# KiCad board pcb.kicad_pcb (continued)
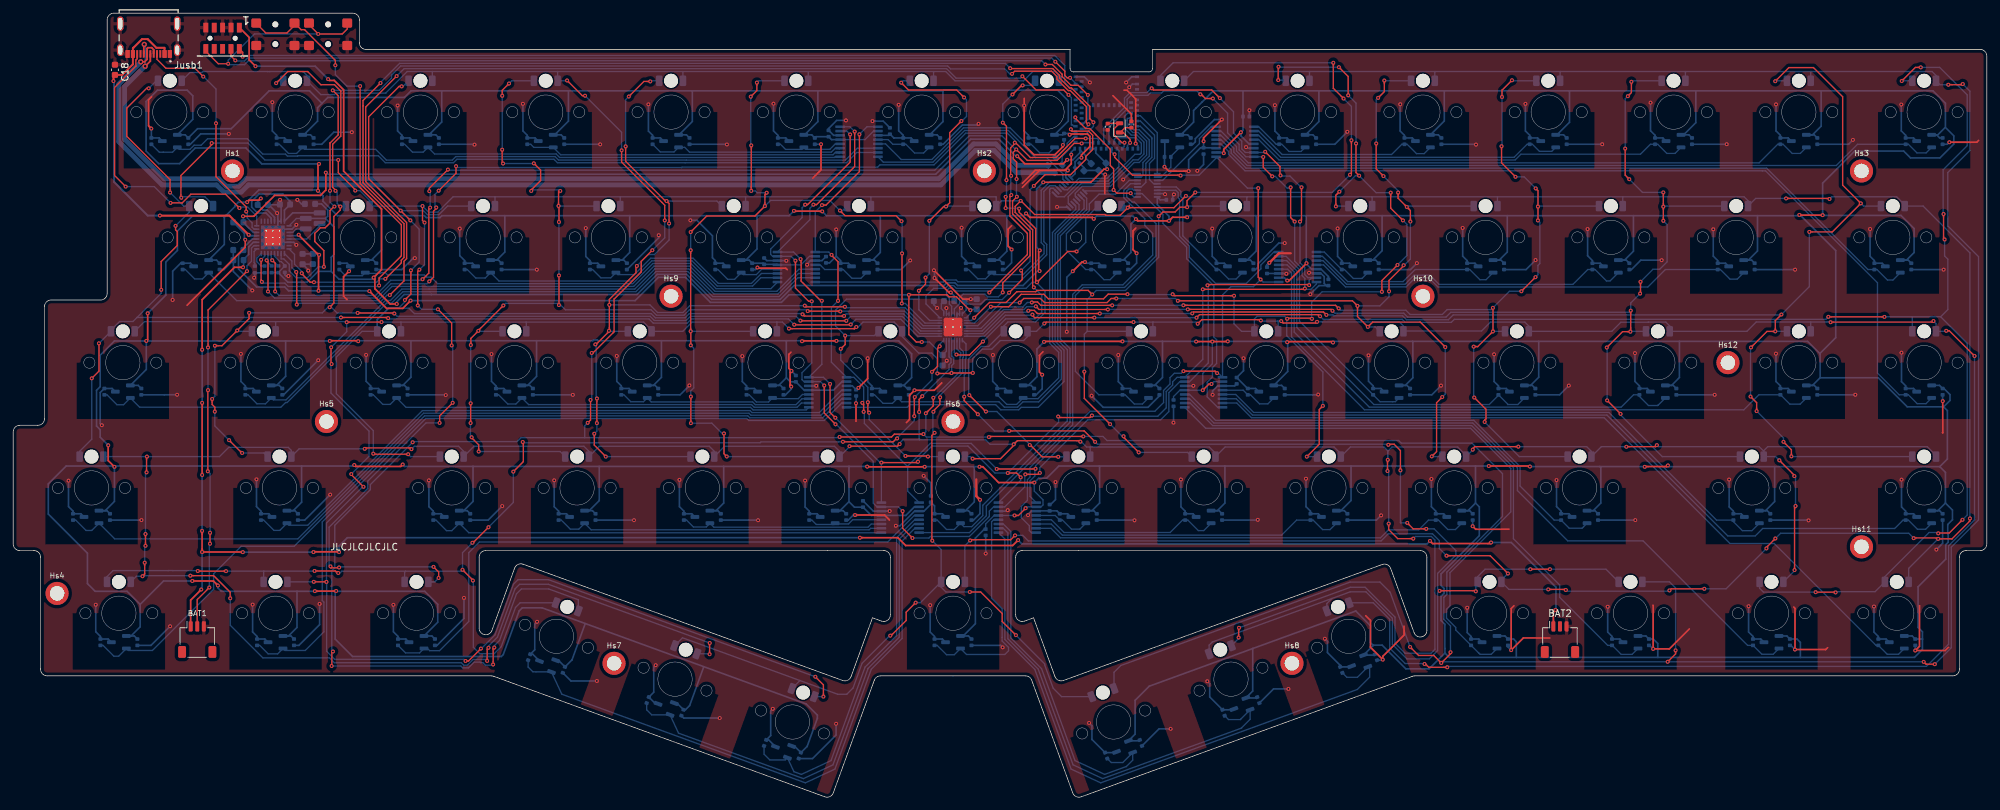
[diagram p0: board, top side]
## Routing (per net, layer and track width the routed paths; a pad name or vN(x,y) marks a point on that pad's centre or on a via; arc(x,y) is an arc through that point) (continued)
/CS9: length 187.3
  Top w0.2: v1(72.07,40.89) 69.71,38.53 v1(69.63,38.53) ; v1(32.27,34.23) 28.02,34.23 v1(27.99,34.25) ; v1(125.81,53.85) 133.44,53.85 133.95,54.36 v1(134.03,54.36) ; v1(140.48,68.34) 140.16,68.01 140.16,65.3 v1(139.31,64.45) ; v1(77.26,53.82) 77.35,53.73 77.35,50.84 v1(75.83,49.32) ; v1(68.13,34.44) 69.7,32.87 v1(69.7,32.8) ; v1(45.69,34.26) 48.82,34.26 48.94,34.14 49.08,34.14 v1(49.28,33.95) ; v1(136.7,60.63) 136.63,60.56 v1(136.63,57.74)
  Bottom w0.2: 38,34.23 v1(32.27,34.23) ; 38,34.23 37.98,34.2 D60.1 ; 38,34.23 45.66,34.23 v1(45.69,34.26) ; v1(136.7,60.63) 139.31,63.24 v1(139.31,64.45) ; LEDDR1.16 140.48,68.64 v1(140.48,68.34) ; v1(134.03,54.36) 134.03,54.44 136.63,57.04 v1(136.63,57.74) ; v1(27.99,34.25) 27.94,34.31 24.22,34.31 24.21,34.32 23.5,34.32 23.49,34.31 15.13,34.31 14.22,33.4 D59.1 ; v1(72.07,40.89) 75.83,44.65 v1(75.83,49.32) ; D61.1 59.35,34.08 59.49,34.22 ; D62.1 76.87,29.42 76.17,28.73 74,22.78 72.93,21.71 70.75,21.71 69.77,22.69 69.77,32.73 v1(69.7,32.8) ; v1(77.26,53.82) 77.39,53.69 88.39,53.69 88.4,53.7 113.26,53.7 113.39,53.83 125.13,53.83 125.15,53.85 v1(125.81,53.85) ; 59.49,34.22 49.82,34.22 49.55,33.95 v1(49.28,33.95) ; 59.49,34.22 67.91,34.22 v1(68.13,34.44) 68.13,37.03 v1(69.63,38.53)
/CS10: length 196.2
  Top w0.2: v1(126.99,71.64) 126.94,71.59 118.44,71.59 v1(118.42,71.61) ; v1(20.55,107.45) 20.22,107.45 17.22,104.45 17.22,100.16 23.79,93.6 v1(23.79,91.65) ; v1(11.91,63.47) 13,64.56 v1(13,68.78) ; v1(49.69,72.7) 56.75,72.7 v1(56.85,72.6) ; v1(24.62,86.6) 24.62,85.98 24.88,85.73 24.88,83.61 22.45,81.18 v1(22.45,76.89)
  Bottom w0.2: v1(56.85,72.6) 56.97,72.48 96.41,72.48 97.04,71.85 102.21,71.85 102.84,72.48 117.55,72.48 v1(118.42,71.61) ; 18.77,72.7 18.16,72.09 16.13,72.09 14.82,70.78 D30.1 13.01,68.78 v1(13,68.78) ; 18.77,72.7 v1(49.69,72.7) ; 18.77,72.7 22.45,76.37 v1(22.45,76.89) ; v1(23.79,91.65) 25.84,89.6 D16.1 26.7,88.68 v1(24.62,86.6) ; LEDDR1.17 137.16,69.85 134.57,72.44 127.79,72.44 v1(126.99,71.64) ; D1.1 21.7,108.6 v1(20.55,107.45) ; D45.1 10.07,52.4 11.91,54.23 v1(11.91,63.47)
/CS11: length 189
  Top w0.2: v1(39.87,108.23) 41.63,110 44.65,110 46.65,108 48.72,108 49.68,107.04 49.68,100.21 48.44,98.97 48.44,92.43 48.87,92 v1(48.87,91.91) ; v1(34.71,52.15) 34.68,52.15 v1(32.73,54.1) ; v1(57.79,73.3) 57.7,73.39 v1(52.23,73.39) ; v1(47.98,74.25) 48.63,74.89 48.63,88.02 49.61,89 v1(49.61,89.52) 49.6,89.51 49.48,89.51 49.3,89.7 ; v1(30.58,68.41) 31.65,68.41 v1(33.96,70.72) 35.77,72.53 v1(35.77,73.4) ; v1(119.36,72.22) 119.38,72.2 v1(126.32,72.2) ; v1(30.57,58.42) 30.57,59.1 30.16,59.5 v1(30.16,60.34)
  Bottom w0.2: D17.1 49.68,89.6 v1(49.61,89.52) 49.12,90.01 49.12,91.66 v1(48.87,91.91) ; v1(32.73,54.1) 30.57,56.26 v1(30.57,58.42) ; v1(52.23,73.39) 49.1,73.39 48.24,74.25 v1(47.98,74.25) 47.72,74.25 46.87,73.4 v1(35.77,73.4) ; v1(126.32,72.2) 126.96,72.84 134.84,72.84 137.43,70.25 LEDDR1.18 ; D31.1 34.08,70.6 v1(33.96,70.72) ; v1(57.79,73.3) 58.21,72.88 96.58,72.88 97.21,72.25 102.05,72.25 102.68,72.88 118.7,72.88 v1(119.36,72.22) ; v1(34.71,52.15) 38.02,52.15 D46.1 ; v1(30.58,68.41) 30.58,60.75 v1(30.16,60.34) ; v1(39.87,108.23) 40.23,108.6 D2.1
/CS12: length 184.2
  Top w0.2: v1(125.98,72.93) 125.96,72.91 119.95,72.91 v1(119.68,73.17) ; v1(58.9,107.75) 58.52,107.75 53.9,103.13 53.9,93.75 v1(58.75,88.9) v1(60.23,87.42) ; v1(54.6,52.05) 54.69,51.96 v1(59.89,51.96) ; v1(60.3,79.85) 60.3,76.25 v1(59.4,75.35)
  Bottom w0.2: LEDDR1.19 137.6,70.65 135.01,73.24 126.29,73.24 v1(125.98,72.93) ; v1(60.3,79.85) 61.55,81.1 61.55,86.1 v1(60.23,87.42) ; D3.1 59.1,107.75 v1(58.9,107.75) ; 56.92,74.1 58.43,74.1 59.4,75.07 v1(59.4,75.35) 59.4,75.34 ; 56.92,74.1 60.02,74.1 60.83,73.29 96.73,73.29 97.37,72.65 101.88,72.65 102.52,73.29 119.57,73.29 v1(119.68,73.17) ; 56.92,74.1 55.2,72.38 ; 56.92,74.1 55.2,72.38 ; v1(54.6,52.05) 54.6,55.53 49,61.13 49,66.7 52.89,70.6 D32.1 ; D32.1 55.2,72.38 ; D32.1 55.2,72.38 ; D47.1 60.25,51.6 v1(59.89,51.96) ; D18.1 65.85,89.6 64.53,88.28 62.82,88.28 62.2,88.9 v1(58.75,88.9)
/CS13: length 164.7
  Top w0.2: v1(69.36,59.69) v1(69.36,56.69) ; v1(120.47,73.67) 120.48,73.66 125.37,73.66 v1(125.41,73.62) ; v1(82.75,79.08) v1(82.75,74.58) ; v1(74.15,106.32) 74.15,107.15 v1(75.18,108.18) ; v1(78.55,91.89) 78.55,92.05 79.97,93.47 79.97,95.05 v1(78.94,96.08) ; v1(70.58,52.37) 70.58,53.39 69.5,54.46 v1(69.5,54.53) ; v1(69.39,68.52) 69.39,69.53 v1(70.53,70.67) 70.53,70.72 v1(74.32,74.51) ; v1(82.95,91.89) 82.79,91.89 82.69,91.79 v1(82.69,89.62) 82.75,89.56 v1(82.75,87.18) ; v1(74.14,98.14) 74.14,96.19 v1(74.28,96.04)
  Bottom w0.2: v1(69.5,54.53) 69.33,54.7 69.33,56.66 v1(69.36,56.69) ; LEDDR1.20 137.78,71.05 135.17,73.66 125.45,73.66 v1(125.41,73.62) ; v1(70.53,70.67) 70.6,70.6 D33.1 ; v1(82.75,79.08) v1(82.75,87.18) ; v1(75.18,108.18) 75.6,108.6 D4.1 ; v1(82.95,91.89) 82.79,92.05 78.71,92.05 v1(78.55,91.89) ; v1(74.14,98.14) 74.15,98.16 v1(74.15,106.32) ; D19.1 82.71,89.6 v1(82.69,89.62) ; v1(74.32,74.51) 74.64,74.83 82.5,74.83 v1(82.75,74.58) 83.02,74.58 83.73,73.86 96.72,73.86 97.54,73.05 101.72,73.05 102.53,73.86 120.27,73.86 v1(120.47,73.67) ; D48.1 82.93,52.37 v1(70.58,52.37) ; v1(78.94,96.08) 78.91,96.04 v1(74.28,96.04) ; v1(69.39,68.52) 69.36,68.49 v1(69.36,59.69)
/CS14: length 146
  Top w0.2: v1(120.02,74.49) 120.19,74.32 v1(126.11,74.32) ; v1(88.11,55.07) 88.11,53.34 v1(89.85,51.6) ; v1(88.5,56.68) 88.5,60.4 v1(88.51,60.41) ; v1(96.6,108.5) 95.63,108.5 v1(93.34,106.21) ; v1(92.86,98.65) 92.86,96.39 98.89,90.36 v1(99.08,90.36) 99.45,89.98 v1(99.45,86.95) ; 88.47,68.71 90.33,70.57 v1(90.33,70.67) 90.39,70.72 90.39,75.44 94.44,79.49 94.44,80.39 v1(94.56,80.51)
  Bottom w0.2: v1(88.27,68.61) 88.39,68.49 88.39,60.53 v1(88.51,60.41) ; v1(126.11,74.32) 126.25,74.18 135.24,74.18 137.97,71.45 LEDDR1.21 ; D20.1 106.69,90.36 v1(99.08,90.36) ; v1(93.34,106.21) 92.86,105.73 v1(92.86,98.65) ; D34.1 90.4,70.6 v1(90.33,70.67) ; D5.1 96.7,108.6 v1(96.6,108.5) ; v1(99.45,86.95) 99.45,84.45 97.25,82.25 96.3,82.25 v1(94.56,80.51) ; v1(120.02,74.49) 102.59,74.49 101.55,73.45 97.7,73.45 96.54,74.61 v1(90.39,74.61) ; v1(88.5,56.68) 88.5,55.46 v1(88.11,55.07) ; D49.1 v1(89.85,51.6)
/CS15: length 143.7
  Top w0.2: v1(102.75,60.7) 102.75,56.68 v1(102.76,56.67) ; v1(114.25,91.62) 113.98,91.35 v1(113.98,89.6) 112.47,88.09 105.15,88.09 v1(102.72,85.66) ; v1(111.91,98.8) 111.91,92.54 111.9,92.53 v1(111.9,91.89) ; v1(102.72,82.9) v1(102.72,70.61) 102.74,70.6 v1(102.74,68.48) ; v1(112.76,108.32) 112.76,107.12 v1(111.83,106.19) ; v1(134.69,87.3) 133.86,88.13 126.14,88.13 v1(125.36,88.91) ; v1(108.19,51.62) 107.77,52.04 v1(107.77,55.12) ; v1(134.78,82.42) 134.78,74.87 v1(134.73,74.83)
  Bottom w0.2: D35.1 102.74,70.6 v1(102.72,70.61) ; v1(102.75,60.7) 102.74,60.71 102.74,61.57 103.19,62.02 103.19,68.03 v1(102.74,68.48) ; LEDDR1.22 138.25,71.85 135.27,74.83 v1(134.73,74.83) ; v1(107.77,55.12) 107.65,55 107.6,55 105.93,56.67 v1(102.76,56.67) ; D50.1 108.21,51.6 v1(108.19,51.62) ; v1(134.78,82.42) 134.78,87.21 v1(134.69,87.3) ; v1(102.72,85.66) v1(102.72,82.9) ; v1(113.98,89.6) 114.84,90.46 123.81,90.46 v1(125.36,88.91) 125.76,88.91 D21.1 ; v1(114.25,91.62) 112.81,91.62 112.54,91.89 v1(111.9,91.89) ; D6.1 113.04,108.6 v1(112.76,108.32) ; v1(111.83,106.19) 111.83,98.88 v1(111.91,98.8)
/CS16: length 106.6
  Top w0.2: v1(137.32,76.75) 138.33,77.76 v1(138.33,78.76) ; v1(144.18,106.07) 143.05,107.19 135.75,107.19 v1(134.64,108.31) ; v1(143.76,102.49) 142,100.72 142,90.09 v1(141.44,89.53) 141.08,89.53 v1(138.91,87.36) ; v1(126.15,69.95) 126.15,68.61 v1(125.48,67.94) ; v1(129.59,59.85) 129.59,58.45 v1(129.79,58.25) ; v1(138.7,51.6) 138.6,51.7 v1(135.29,51.7)
  Bottom w0.2: 137.32,75.47 v1(137.32,76.75) ; 137.32,75.47 137.31,75.48 126.35,75.48 124.69,73.82 124.69,71.41 v1(126.15,69.95) 130.55,69.95 D36.1 ; 137.32,75.47 137.32,73.88 138.95,72.25 LEDDR1.23 ; v1(141.44,89.53) 141.51,89.6 D22.1 ; v1(129.59,59.85) 129.59,62.11 125.48,66.22 v1(125.48,67.94) ; v1(138.33,78.76) 138.91,79.34 v1(138.91,87.36) ; v1(129.79,58.25) 129.79,57.2 v1(135.29,51.7) ; D7.1 134.93,108.6 v1(134.64,108.31) ; v1(144.18,106.07) 144.54,105.71 144.54,103.18 143.85,102.49 v1(143.76,102.49) ; D51.1 v1(138.7,51.6)
/CS17: length 119.7
  Top w0.2: v1(147.49,58.44) 147.45,58.44 v1(144.97,60.92) ; v1(152.53,89.21) 152.53,88.66 155.03,86.16 155.03,78.24 v1(155.23,78.04) ; v1(155.23,78.04) 155.1,78.04 155.03,77.97 ; v1(155.23,78.04) 159.9,82.71 v1(161.24,82.71) ; v1(153.06,107.9) 152.9,107.9 v1(151.52,106.52) ; v1(150.48,89.29) 150.48,89.29 v1(150.48,90.99) ; v1(158.45,51.57) 156.01,51.57 154.22,53.36 v1(154.13,53.36) ; v1(150.05,102.25) 150.61,101.69 v1(150.61,93.53)
  Bottom w0.2: v1(151.52,106.52) 150.05,105.05 v1(150.05,102.25) ; v1(152.53,89.21) 152.46,89.28 150.49,89.28 v1(150.48,89.29) ; LEDDR1.24 138.4,74.76 138.4,75.95 139.57,77.12 141.32,77.12 141.74,77.54 142.6,77.54 143.02,77.12 153.58,77.12 154.5,78.04 v1(155.23,78.04) 155.23,77.9 156.45,76.68 156.45,73.44 155.03,72.02 150.82,72.02 150.2,71.4 D37.1 147.9,68.3 146.76,68.3 144.87,66.41 144.87,61.02 v1(144.97,60.92) ; D23.1 162.63,87.77 162.63,84.09 v1(161.24,82.71) ; v1(150.61,93.53) 150.61,91.11 v1(150.48,90.99) ; v1(153.06,107.9) 154.25,107.9 D8.1 ; v1(154.13,53.36) 154.13,53.45 149.14,58.44 v1(147.49,58.44) ; v1(158.45,51.57) 159.67,51.57 D52.1
/GPIO_X: length 163.4
  Top w0.2: v1(48.71,89.52) 48.63,89.52 48.03,88.92 48.03,87.03 47.3,86.3 46.57,86.3 45.72,85.45 45.72,84.22 47.11,82.84 v1(47.11,80.37) ; v1(48.04,91.92) 48.04,99.14 48.03,99.15 49.28,100.39 49.28,106.32 v1(48.45,107.15) ; v1(163.04,102) 162.95,102 162.71,102.24 162.71,104.69 160.29,107.11 159.99,107.11 158.25,108.85 158.25,109.25 157.45,110.05 151.85,110.05 v1(151.45,109.65)
  Bottom w0.2: v1(48.71,89.52) 48.04,90.19 v1(48.04,91.92) ; v1(151.45,109.65) 151.1,109.65 150.35,110.4 142.13,110.4 141.69,110.84 58.75,110.84 57.36,109.44 57.36,109 55.5,107.15 v1(48.45,107.15) ; v1(47.11,80.37) 46.25,80.37 44.59,78.71 42.91,78.71 41.86,79.76 41.86,80.75 41.04,81.58 40.62,81.58 PMIC1.10 ; v1(163.04,102) 163.04,101.83 162.5,101.3 MDBT1.38
/INT: length 170
  Top w0.2: 43.7,79.37 43.71,79.37 ; 43.7,79.37 43.71,79.36 ; 43.7,79.37 45.03,78.05 v1(45.6,78.05) ; 43.7,79.37 43.71,79.37 ; 43.71,79.37 v1(43.75,79.41) 43.71,79.37 ; v1(163.79,102.3) 163.25,102.84 163.25,104.72 160.46,107.51 160.15,107.51 158.65,109.01 158.65,109.41 157.62,110.45 151.22,110.45 v1(151.17,110.5) ; v1(55.69,108.25) 53.05,105.61 53.05,104.78 53.05,104.78 53.05,93.13 59.25,86.93 59.25,81.78 58.85,81.38 58.85,80.98 v1(56.43,78.56)
  Bottom w0.2: v1(43.75,79.41) 43.75,79.68 42.66,80.77 42.66,82.26 PMIC1.8 ; v1(151.17,110.5) 150.43,111.24 58.59,111.24 55.69,108.34 v1(55.69,108.25) ; v1(56.43,78.56) 55.62,78.56 55.11,78.05 v1(45.6,78.05) ; MDBT1.36 162.61,100.5 163.79,101.68 v1(163.79,102.3)
/LED_DR_EN: length 46.2
  Top w0.2: v1(152.83,79.83) 153,79.66 153,78.45 v1(151,76.46) ; v1(160.37,101.24) 160.37,101.12 160.55,100.95 163.07,100.95 163.68,100.34 163.68,98.17 162.62,97.12 162.62,96.66 160.31,94.35 156.45,94.35 v1(154.75,92.65)
  Bottom w0.2: LEDDR1.32 144.49,73.83 144.49,74.97 C33.1 144.74,74.72 146.71,74.72 147.39,75.41 149.95,75.41 v1(151,76.46) ; v1(152.83,79.83) 154.19,81.18 154.19,92.08 v1(154.75,92.65) ; v1(160.37,101.24) 160.37,101.12 160.6,100.9 MDBT1.37
/LOADSW_CTRL: length 171.7
  Top w0.2: v1(58.14,109.3) 53.45,104.61 53.45,93.3 59.65,87.1 59.65,81.61 59.25,81.21 59.25,78.24 v1(57.1,76.09) ; v1(42.92,79.6) 42.99,79.52 v1(42.99,74.65) ; v1(160.02,106.46) 159.29,107.19 155.1,107.19 v1(153.02,109.28)
  Bottom w0.2: PMIC1.9 42.26,81.26 42.26,80.26 v1(42.92,79.6) ; MDBT1.39 160.83,101.7 160.64,101.89 160.45,101.89 160.45,106.03 v1(160.02,106.46) ; v1(42.99,74.65) 43.19,74.85 55.45,74.85 56.7,76.09 v1(57.1,76.09) ; v1(153.02,109.28) 152.74,109 142.97,109 141.53,110.44 59.27,110.44 v1(58.14,109.3)
/MUX_B_1: length 34.6
  Bottom w0.2: MUXB1.8 131.93,96.26 139.46,96.26 144.26,101.06 150.9,101.06 155.01,96.94 156.71,96.94 159.16,94.49 159.16,93.66 MUXA1.14 159.65,93.17
/MUX_B_2: length 49.7
  Bottom w0.2: MUXB2.8 141.07,78.07 141.38,78.39 142.96,78.39 143.24,78.11 152.61,78.11 156.58,82.07 156.58,82.07 156.71,82.2 156.71,83.78 156.28,84.21 156.28,91.81 157.16,92.69 158.01,92.69 158.59,92.11 MUXA1.11
/MUX_B_3: length 64.9
  Bottom w0.2: MUXA1.5 161.61,89.8 161.61,89.04 157.98,85.41 157.98,69.1 159.33,67.75 159.33,62.97 155.43,59.07 152.84,59.07 152.46,58.7 149.74,58.7 148.96,59.48 135.96,59.48 135.55,59.07 MUXB3.8
/MUX_B_4: length 67.8
  Bottom w0.2: MUXB4.8 145,40.07 147.55,42.62 147.55,44.1 160.24,56.79 160.24,67.98 158.78,69.44 158.78,85.08 162.77,89.07 162.77,90.78 162.15,91.4 MUXA1.2
/MUX_B_5: length 12.7
  Bottom w0.2: MUXA2.11 174.28,93.49 179.86,99.07 179.86,99.83 181.65,101.62 MUXB5.8
/MUX_B_6: length 31.3
  Bottom w0.2: MUXA2.14 176.29,91.99 176.65,91.62 176.65,90.85 176.85,90.65 176.85,85 178.32,83.52 178.32,81.85 182.3,77.87 186.97,77.87 189.19,80.08 189.19,80.66 191.15,82.62 MUXB6.8
/MUX_B_7: length 39.8
  Bottom w0.2: MUXB7.8 182.63,59.07 181.04,60.66 181.04,62.87 181.84,63.67 181.84,65.1 182.47,65.73 182.47,69.31 182.05,69.73 182.05,77.49 177.92,81.61 177.92,83.36 174.33,86.95 174.33,88.31 171.16,91.49 MUXA2.2
/MUX_B_8: length 69.4
  Bottom w0.2: MUXA2.5 169.4,92.99 168.4,91.98 168.4,90.86 171.58,87.68 171.58,86.64 172.78,85.45 172.78,82.16 168.26,77.65 162.09,77.65 160.64,76.19 160.64,56.41 154.18,49.95 154.18,48.49 153.78,48.09 153.78,44.96 152.86,44.04 152.86,42.33 154.07,41.11 154.07,40.37 154.38,40.07 MUXB8.8
/MUXA_SEL: length 22.9
  Top w0.2: v1(169.44,91.55) 167.34,91.55 v1(166.85,92.04) 166.85,95.25 166.35,95.75 166.35,98.21 164.12,100.45 164.12,100.47 163.24,101.35 162.62,101.35 161.05,102.91 v1(161.05,103.05)
  Bottom w0.2: v1(166.85,92.04) 166.7,91.89 162.63,91.89 MUXA1.1 ; v1(161.05,103.05) 161.1,103 MDBT1.41 ; v1(169.44,91.55) 169.44,91.45 169.91,90.99 MUXA2.1
/MUXB_SEL_0: length 200.7
  Top w0.2: v1(189.14,78.46) 188.78,78.82 v1(188.78,92.32) ; v1(128.95,58.38) 128.95,58.38 128.95,59.55 v1(128.75,59.75) ; v1(182.54,64.26) 182.24,64.56 v1(177.44,64.56) ; v1(124.09,82.19) 124.09,82.12 125.06,81.15 v1(125.06,75.21) ; v1(167,97.45) 167,97 169.71,94.29 176.94,94.29 v1(177,94.22) ; v1(149.13,49.73) 154.98,49.73 v1(155.01,49.76) ; v1(128.31,100.48) 128.31,94.81 123.23,89.74 v1(122.63,89.74)
  Bottom w0.2: MUXB1.1 129.45,101.62 v1(128.31,100.48) ; v1(177.44,64.56) 177.12,64.24 176.06,64.24 175.4,63.58 175.4,62.6 174.43,61.63 174.43,59.79 173.11,58.48 163.3,58.48 155.01,50.19 v1(155.01,49.76) 154.91,49.66 154.91,48.66 154.18,47.92 154.18,45.55 MUXB8.1 ; v1(128.95,58.38) 129.06,58.27 129.06,56.63 134.64,51.05 135.63,50.06 ; 135.63,50.06 135.63,50.16 139.07,53.6 145.26,53.6 v1(149.13,49.73) ; 135.63,50.06 135.63,46.36 MUXB4.1 ; v1(188.78,92.32) 187.14,92.32 MUXB5.1 182.39,96.86 179.81,94.29 177.06,94.29 v1(177,94.22) ; v1(124.09,82.19) 123.66,82.62 MUXB2.1 121.61,88.72 v1(122.63,89.74) ; v1(125.06,75.21) 124.06,74.2 124.06,65.92 MUXB3.1 127.46,63.62 128.95,62.13 128.95,59.96 v1(128.75,59.75) ; MUXB6.1 189.53,78.07 v1(189.14,78.46) 188.05,77.37 184.62,77.37 183.36,76.11 MUXB7.1 182.73,64.26 v1(182.54,64.26) ; MDBT1.22 166.55,97.8 166.9,97.45 v1(167,97.45)
/MUXB_SEL_1: length 231.1
  Top w0.2: v1(189.54,97.04) 189.54,95.47 v1(190.91,94.1) ; v1(122.61,75.23) 122.45,75.23 119.47,78.21 119.47,81.47 v1(119.39,81.55) ; v1(127.59,100.9) 127.59,95.6 121.8,89.81 v1(121.34,89.81) ; v1(124.66,57.49) 123.86,58.29 v1(123.86,62.62) ; v1(180,106.54) 180.13,106.54 180.77,105.91 v1(181.9,105.91) ; v1(137.19,50.82) 137.19,50.8 137.08,50.69 v1(131.64,50.69) ; v1(180.38,76.97) 195.73,76.97 v1(195.85,77.09) ; v1(158.44,57.68) 158.59,57.53 163.26,57.53 v1(163.56,57.83) ; v1(152.76,48.45) 152.76,48.5 152.15,49.11 v1(150.81,49.11) ; v1(193.69,92.44) 193.69,87.85 v1(194.3,87.24)
  Bottom w0.2: v1(119.39,81.55) 118.32,82.62 MUXB2.16 120.8,87.53 120.8,89.27 v1(121.34,89.81) ; v1(189.54,97.04) 189.5,97.07 MUXB5.16 186.91,97.07 185.88,98.1 185.88,98.96 184.13,100.71 184.13,103.68 v1(181.9,105.91) ; v1(193.69,92.44) 193.57,92.32 193.16,92.32 191.38,94.1 v1(190.91,94.1) ; MUXB1.16 126.86,101.62 v1(127.59,100.9) ; v1(180,106.54) 179.5,107.05 174.42,107.05 174.12,106.75 172.42,106.75 172.06,106.39 169.5,106.39 168.9,105.8 168.9,104.32 166.15,101.58 MDBT1.23 ; v1(180.38,76.97) 180.38,66.36 MUXB7.16 176.49,63.62 175.8,62.94 175.8,62.44 174.82,61.46 174.82,58.99 173.55,57.72 163.67,57.72 v1(163.56,57.83) ; MUXB4.16 v1(131.64,50.69) 131.64,50.63 131.58,50.57 131.57,50.57 v1(124.66,57.49) ; v1(194.3,87.24) 194.3,81.24 195.43,80.11 195.43,79.04 195.85,78.62 v1(195.85,77.09) 195.98,76.96 196.78,76.96 197.61,77.79 MUXB6.16 ; v1(152.76,48.45) 152.76,47.99 MUXB8.16 ; v1(123.86,62.62) 122.86,63.62 MUXB3.16 122.61,65.59 v1(122.61,75.23) ; v1(158.44,57.68) 158.51,57.61 158.51,56.81 v1(150.81,49.11) 148.85,49.11 144.76,53.2 139.28,53.2 137.19,51.11 v1(137.19,50.82)
/MUXB_SEL_2: length 232.8
  Top w0.2: v1(195.34,92.44) 195.34,87.47 v1(195.11,87.24) ; v1(196.5,77.6) 196.41,77.69 181.19,77.69 v1(181.08,77.58) ; v1(134.86,43.33) 134.86,40.74 v1(136.35,39.25) ; v1(189.83,97.83) 192.07,95.59 192.07,94.32 v1(192.16,94.24) ; v1(120.08,89.81) 120.44,89.81 126.9,96.27 v1(126.9,100.46) ; v1(118.61,81.32) 118.61,77.15 120.61,75.16 v1(121.08,75.16) ; v1(182.96,105.97) 181.73,107.19 172.88,107.19 v1(172.62,107.46) ; v1(122.98,62.39) 122.98,58.21 v1(124.69,56.5) ; v1(155.66,49.13) 155.44,48.91 v1(153.47,48.91)
  Bottom w0.2: v1(118.61,81.32) 117.95,81.97 MUXB2.15 115.15,81.97 114.85,82.27 114.85,83.07 119.62,87.85 119.62,89.35 v1(120.08,89.81) ; v1(153.47,48.91) 153.38,48.82 153.38,47.01 150.34,43.97 MUXB8.15 148.65,43.97 148.01,43.33 148.01,42.51 144.98,39.49 139.09,39.49 138.85,39.25 v1(136.35,39.25) ; v1(196.5,77.6) 196.5,78.35 196.88,78.72 ; v1(124.69,56.5) 124.78,56.5 130.41,50.87 130.41,44.54 130.98,43.97 MUXB4.15 134.22,43.97 v1(134.86,43.33) ; MUXB1.15 126.39,100.97 v1(126.9,100.46) ; MUXB6.15 196.88,78.72 ; 196.88,78.72 196.32,78.72 195.83,79.21 195.83,80.27 195.11,80.99 v1(195.11,87.24) ; 172.58,107.5 v1(172.62,107.46) 172.56,107.46 171.9,106.79 169.33,106.79 168.5,105.96 168.5,104.54 165.35,101.39 MDBT1.25 ; v1(192.16,94.24) 192.25,94.15 193.58,94.15 195.22,92.51 195.22,92.32 v1(195.34,92.44) ; v1(121.08,75.16) 121.08,65.8 119.6,64.32 119.6,63.27 119.9,62.97 MUXB3.15 122.39,62.97 v1(122.98,62.39) ; v1(182.96,105.97) 185.03,103.9 185.03,100.68 186.28,99.43 186.28,98.27 186.83,97.72 MUXB5.15 189.72,97.72 v1(189.83,97.83) ; v1(181.08,77.58) 181.2,77.46 181.2,65.8 178.37,62.97 MUXB7.15 176.9,62.97 175.23,61.3 175.23,58.42 173.98,57.18 162.92,57.18 155.66,49.92 v1(155.66,49.13)
/NRESET: length 166.2
  Top w0.2: SW1.2 44.85,117.1 v1(46.25,115.7) 49.89,115.7 50.65,116.46 SW1.2 ; v1(156.52,111.07) 157.56,111.07 159.05,109.58 159.05,109.24 160.38,107.91 161.49,107.91 v1(162.95,106.45) ; JTAG1.10 29.21,113.07 31.1,111.18 v1(32.59,111.18)
  Bottom w0.2: MDBT1.40 162.3,102.1 162.39,102.18 162.39,102.26 162.77,102.65 162.85,102.65 162.95,102.74 v1(162.95,106.45) ; v1(46.25,115.7) 36.58,115.7 32.59,111.71 v1(32.59,111.18) 32.73,111.04 35.07,111.04 35.67,111.64 155.95,111.64 v1(156.52,111.07)
/SCL: length 192.9
  Top w0.2: v1(151.34,91.27) 151.13,91.06 151.13,88.09 153.78,85.45 153.78,82.24 v1(148.01,76.48) ; v1(151.31,94.18) 151.24,94.25 151.24,98.44 151.87,99.07 v1(151.87,99.21) 151.98,99.21 154.23,96.96 154.6,96.96 154.6,96.96 158.13,96.96 161.01,99.85 v1(162.62,99.85) ; v1(38.63,76.64) 38.63,81.24 38.51,81.36 v1(38.42,81.36) ; v1(64.51,91.93) 67.15,94.57 v1(67.15,95.64) ; v1(63.09,78.17) 63.73,78.81 63.73,88.81 64.15,89.23 v1(64.15,89.38)
  Bottom w0.2: v1(162.62,99.85) 164.4,99.85 164.55,99.7 MDBT1.27 ; v1(64.15,89.38) 63.96,89.57 63.96,91.38 v1(64.51,91.93) ; PMIC1.14 38.62,81.56 v1(38.42,81.36) 38.42,81.28 R3.2 ; v1(148.01,76.48) 147.78,76.71 142.82,76.71 142.39,77.14 141.9,77.14 141.52,76.75 141.52,76.04 141.94,75.62 141.94,74.74 142.3,74.39 LEDDR1.28 ; v1(63.09,78.17) 62.73,77.81 57.28,77.81 55.12,75.65 39.63,75.65 v1(38.63,76.64) ; v1(151.31,94.18) 151.26,94.13 151.26,91.35 v1(151.34,91.27) ; v1(67.15,95.64) 67.36,95.44 101.36,95.44 101.42,95.5 131.08,95.5 131.42,95.84 139.61,95.84 144.42,100.66 150.73,100.66 151.87,99.52 v1(151.87,99.21)
/SDA: length 187.1
  Top w0.2: v1(162,99.09) 160.86,99.09 158.28,96.52 153.76,96.52 v1(152.09,98.19) 151.64,97.74 151.64,96.76 152.14,96.26 v1(152.14,93.7) ; v1(39.72,76.64) 39.73,76.65 39.73,80.92 v1(39.27,81.38) ; v1(62.07,78.5) 62.09,78.5 63.02,79.43 63.02,89.16 v1(63.22,89.36) ; v1(65.91,95.12) 63.09,92.3 v1(63.09,91.86) ; v1(152.18,91.01) 151.53,90.35 151.53,88.42 154.18,85.77 154.18,82.08 150.04,77.94 v1(150.04,76.5)
  Bottom w0.2: v1(162,99.09) 162.1,99.2 MDBT1.29 ; v1(39.72,76.64) 40.32,76.05 54.95,76.05 57.25,78.35 61.92,78.35 v1(62.07,78.5) ; v1(152.18,91.01) 152.12,91.07 152.12,93.68 v1(152.14,93.7) ; LEDDR1.29 142.7,74 143.49,74.79 143.49,75.69 144.04,76.24 147.33,76.24 147.74,75.83 149.37,75.83 v1(150.04,76.5) ; v1(63.22,89.36) 63.22,91.73 v1(63.09,91.86) ; v1(65.91,95.12) 66,95.04 139.74,95.04 144.96,100.26 149.9,100.26 151.97,98.19 v1(152.09,98.19) ; PMIC1.13 39.12,81.53 v1(39.27,81.38) 39.34,81.38 R4.2
/SW0: length 895.7
  Top w0.2: 60.46,53.88 v1(60.57,53.77) ; v1(125.31,54.58) 133.18,54.58 133.61,55.01 v1(138.02,55.01) ; v1(98.79,87.42) 98.79,89.73 92.25,96.27 v1(92.25,98.05) ; v1(139.51,60.52) 139.51,59.3 v1(138.38,58.17) ; v1(72.77,20.07) 72.77,22.46 v1(72.95,22.64) ; v1(293.41,108) 295.51,108 v1(295.61,108.1) ; v1(86.71,106.33) 86.3,106.33 v1(83.98,108.65) ; v1(252.06,22.21) 252.06,21.68 v1(250.86,20.48) ; v1(211.8,22.73) 213.09,21.44 215.39,21.44 v1(216.53,20.3) 217.93,21.7 v1(217.93,21.93) ; v1(96.91,82.9) 95.23,81.22 95.23,79.61 91.11,75.49 91.11,70.53 87.9,67.32 v1(87.72,67.32) ; v1(87.11,56.72) 87.54,57.15 v1(87.54,60.19) ; v1(162.26,54.66) 148.05,54.66 v1(147.95,54.56) ; v1(48.29,19.84) 48.31,19.86 48.31,21.86 v1(48.48,22.03) ; v1(291.37,20.12) 290.03,20.12 v1(289.68,20.47)
  Bottom w0.2: 86.66,54.47 86.66,56.27 v1(87.11,56.72) ; 86.66,54.47 76.99,54.47 76.4,53.88 60.68,53.88 v1(60.57,53.77) 54.16,47.36 54.16,46.58 48.76,41.19 48.76,34.74 48.31,34.29 48.31,22.2 v1(48.48,22.03) ; 86.66,54.47 125.2,54.47 v1(125.31,54.58) ; D13.2 253.55,109.94 253.61,110 ; 63.55,110 59.74,110 56.5,106.76 56.5,106.72 48.94,106.72 48.72,106.5 46.65,106.5 D2.2 44.55,109.4 43.95,110 38.9,110 38.9,109.99 38.54,109.99 38.54,110 28.76,110 28.61,109.85 26.8,109.85 D1.2 ; 63.55,110 D3.2 ; 63.55,110 82.55,110 ; v1(291.37,20.12) 293.86,22.61 293.86,37.86 297.99,41.99 297.99,81.92 293.33,86.59 293.33,94.68 296.69,98.04 296.69,107.02 v1(295.61,108.1) ; D11.2 215.55,109.97 215.58,110 ; v1(138.38,58.17) 138.38,55.37 v1(138.02,55.01) 138.47,54.56 v1(147.95,54.56) ; v1(96.91,82.9) 98.79,84.78 v1(98.79,87.42) ; 272.6,110 272.55,109.95 D14.2 ; 272.6,110 253.61,110 ; 272.6,110 290.95,110 291.55,109.4 D15.2 292.15,108 v1(293.41,108) ; v1(252.06,22.21) 252.06,31.68 251.14,32.6 D70.2 ; v1(211.8,22.73) 208.78,31.03 207.24,32.57 202.7,32.57 167.94,19.91 166.92,18.89 D66.2 ; D9.2 178.95,110 196.53,110 ; 196.53,110 215.58,110 ; 196.53,110 196.55,109.98 D10.2 ; 215.58,110 234.57,110 ; v1(162.26,54.66) 165.23,54.66 165.85,54.04 210.07,54.04 210.47,53.64 221.19,53.64 225.81,49.02 225.81,42.51 217.38,34.08 217.38,30.69 216.92,30.23 216.92,26.93 217.93,25.92 v1(217.93,21.93) ; 253.61,110 234.57,110 ; v1(87.72,67.32) 87.72,60.37 v1(87.54,60.19) ; 234.57,110 234.55,109.98 D12.2 ; v1(72.77,20.07) 72.66,19.96 71.61,19.96 71.22,20.35 70.88,20.35 70.8,20.43 69.89,20.43 69.02,19.56 68.16,19.56 67.87,19.84 v1(48.29,19.84) ; LEDDR1.11 143.1,67.92 143.67,67.35 143.67,66.81 143.56,66.7 143.56,64.49 139.59,60.52 v1(139.51,60.52) ; D8.2 158.55,109.4 157.95,110 154.6,110 153.2,108.6 142.8,108.6 141.4,110 139.6,110 ; v1(83.98,108.65) 83.93,108.6 D4.2 82.55,110 ; 82.55,110 101.55,110 ; D7.2 139.55,109.95 139.6,110 ; v1(86.71,106.33) 92.25,100.79 v1(92.25,98.05) ; v1(72.95,22.64) 72.95,22.92 73.74,23.72 76.32,30.79 77.05,31.52 81.19,31.52 85.66,29.89 85.69,29.86 D62.2 ; v1(216.53,20.3) 216.53,20.45 216.55,20.48 v1(250.86,20.48) 289.67,20.48 v1(289.68,20.47) ; 101.55,110 120.55,110 ; 101.55,110 D5.2 ; 120.55,110 139.6,110 ; 120.55,110 D6.2
/SW1: length 656.9
  Top w0.2: v1(145.1,38.88) 145.21,38.99 151.25,38.99 v1(151.91,39.65) ; v1(265.83,37.67) 265.83,37.82 v1(267.19,39.18) ; v1(61.59,79.95) 61.34,79.7 v1(61.34,74.52) ; v1(217.33,36.57) 223.94,36.57 v1(226.64,33.87) ; v1(66.48,68.46) 66.48,71.86 v1(64.4,73.94) ; v1(296.69,42.22) 296.69,41.84 293.97,39.12 v1(291.88,39.12) 291.73,39.27 288.2,39.27 v1(288.16,39.23) ; v1(168.99,89.35) 169.23,89.59 169.23,89.72 ; v1(168.99,89.35) 167.84,88.19 165.67,88.19 165.56,88.31 154.88,88.31 152.8,90.38 v1(152.76,90.38) 151.93,89.55 151.93,88.64 154.58,85.99 154.58,77.44 v1(154.75,77.27) ; v1(168.99,89.35) 176,89.35 177.78,91.13 v1(177.82,91.13) ; v1(275.4,90.67) 275.31,90.76 v1(268.81,90.76) ; v1(66.64,59.76) 64.66,57.78 v1(64.66,56.71) ; v1(251.13,31.3) 251.38,31.55 v1(256.42,31.55) ; v1(143.02,67.08) 143.09,67.01 145,67.01 v1(147.04,69.05) ; v1(63.73,34.88) 64.51,34.1 v1(64.51,33.19) ; v1(232.75,31.46) 235.34,31.46 v1(235.43,31.37) ; v1(51.87,91.94) 51.87,92.07 49.29,94.66 v1(49.29,96.59) ; v1(48.11,34.94) 48.11,34.8 48.19,34.73 49.36,34.73 v1(49.42,34.78) ; v1(25.48,90.86) 25.43,90.91 25.43,94.23 30.1,98.9 v1(30.1,99.15) ; v1(62.37,87.1) 62.06,87.4 v1(62.06,89.6)
  Bottom w0.2: 225.05,91 206,91 ; 225.05,91 244.05,91 ; 225.05,91 D26.2 ; 206,91 206.05,90.95 D25.2 ; 206,91 187.13,91 ; v1(143.02,67.08) 142.7,67.4 LEDDR1.12 ; 130,91 149.01,91 149.05,90.96 D22.2 149.84,90.38 v1(152.76,90.38) ; 130,91 111.03,91 ; 130,91 130.05,90.95 D21.2 ; v1(64.66,56.71) 62.59,56.71 53.76,47.88 53.76,46.75 47.9,40.89 47.9,35.15 v1(48.11,34.94) ; v1(267.19,39.18) 267.98,39.97 287.42,39.97 v1(288.16,39.23) ; 111.03,91 111.05,90.98 D20.2 ; 111.03,91 92.08,91 ; v1(291.88,39.12) 287.4,34.65 D72.2 ; v1(256.42,31.55) 259.71,31.55 v1(265.83,37.67) ; v1(64.4,73.94) 61.92,73.94 v1(61.34,74.52) ; D65.2 144.3,38.08 v1(145.1,38.88) ; v1(217.33,36.57) 216.24,37.66 216.24,38.84 215.19,39.89 208.48,39.89 207.4,38.81 153.92,38.81 153.08,39.65 v1(151.91,39.65) ; 92.08,91 92.05,90.97 D19.2 ; 92.08,91 73.07,91 ; v1(296.69,42.22) 296.69,82.5 289.59,89.6 D29.2 286.8,89.78 285.58,91 275.73,91 v1(275.4,90.67) ; v1(62.37,87.1) 62.37,80.73 v1(61.59,79.95) ; v1(177.82,91.13) 177.77,91.08 177.77,91.01 177.78,91 187.13,91 ; v1(168.99,89.35) 168.74,89.6 D23.2 ; v1(49.42,34.78) 49.41,34.79 49.41,34.87 49.42,34.88 v1(63.73,34.88) ; 73.07,91 73.05,90.98 D18.2 ; 73.07,91 66.69,91 64.37,88.68 62.98,88.68 v1(62.06,89.6) D17.2 54.05,90.45 52.56,91.94 v1(51.87,91.94) ; 187.13,91 187.05,90.92 D24.2 ; v1(268.81,90.76) 264.21,90.76 D28.2 263.05,90.4 262.45,91 244.05,91 ; 244.05,91 D27.2 ; D16.2 30.3,89.78 29.08,91 25.62,91 v1(25.48,90.86) ; v1(154.75,77.27) 154.75,77.25 155.96,76.05 155.96,73.52 154.93,72.49 150.48,72.49 v1(147.04,69.05) ; 63.7,32.6 D61.2 63.92,32.6 v1(64.51,33.19) ; v1(49.29,96.59) 38.16,96.59 35.6,99.15 v1(30.1,99.15) ; v1(66.64,59.76) 66.64,68.3 v1(66.48,68.46) ; v1(251.13,31.3) 251.02,31.19 235.61,31.19 v1(235.43,31.37) ; v1(232.75,31.46) 226.79,31.46 D69.2 225.65,32.88 v1(226.64,33.87)
/SW2: length 613.8
  Top w0.2: v1(189.18,72.24) 189.05,72.37 180.22,72.37 v1(179.6,71.75) ; v1(121.62,18.21) 122.85,16.98 v1(122.85,15.2) ; v1(214,20.14) 214.14,20.14 214.64,19.65 v1(217.44,19.65) ; v1(192.26,72.15) 192.56,71.85 197.51,71.85 v1(197.7,72.04) ; v1(297.39,66.86) 293.57,70.68 v1(293.09,70.68) ; v1(145.51,64.29) 142.27,64.29 v1(142.27,64.27) 142.21,64.21 v1(140.12,64.21) ; v1(47.5,32.6) 47.49,32.61 v1(45.58,32.61) ; v1(53.11,47.02) 51.26,48.87 v1(51.26,48.95) ; v1(291.16,72.16) 291,72 275.58,72 v1(275.56,71.98) ; v1(156.34,71.79) 156.41,71.79 156.62,72 v1(169.87,72) ; v1(50.57,71.98) 50.59,72 v1(55.85,72) ; v1(68.59,20.61) 69.05,20.61 v1(70.92,22.48) 70.78,22.34 ; v1(127.83,71.25) 127.57,70.99 117.64,70.99 v1(117.62,71.01) ; v1(48.28,65.63) 48.18,65.74 48.18,68.15 v1(48.21,68.18)
  Bottom w0.2: v1(68.59,20.61) 68.34,20.86 48.74,20.86 47.52,22.07 47.52,32.57 v1(47.5,32.6) 47.5,41.53 52.99,47.02 v1(53.11,47.02) ; v1(275.56,71.98) 275.5,72.04 275.03,72.04 275.01,72.01 272.61,72.01 ; D31.2 39.8,72 39.73,72.07 ; v1(48.28,65.63) 48.18,65.53 48.18,61.24 53.95,55.47 53.95,51.64 v1(51.26,48.95) ; v1(145.51,64.29) 145.47,64.32 145.47,66.45 146.92,67.9 148.38,67.9 149.67,69.19 153.2,69.19 153.8,69.8 D37.2 155.15,70.6 v1(156.34,71.79) ; 84.7,31.65 v1(121.62,18.21) ; D39.2 191.8,72.07 191.72,72.15 ; v1(70.92,22.48) 70.97,22.48 73.05,24.56 75.85,32.24 76.54,32.93 81.16,32.93 84.78,31.62 ; v1(297.39,66.86) 297.39,42.01 293.45,38.07 293.45,23.14 290.09,19.78 217.57,19.78 v1(217.44,19.65) ; D60.2 45.57,32.6 v1(45.58,32.61) ; 172.83,72 172.8,71.97 D38.2 ; 172.83,72 v1(169.87,72) ; 172.83,72 179.35,72 v1(179.6,71.75) ; v1(140.12,64.21) 140.12,66.45 139.27,67.3 137.3,67.3 134.8,69.8 D36.2 ; D32.2 58.8,71.97 58.77,72 ; LEDDR1.13 142.3,66.88 142.6,66.57 142.6,65.7 142.3,65.4 142.3,64.3 v1(142.27,64.27) ; 115.78,72 115.8,71.98 D35.2 ; 115.78,72 116.63,72 v1(117.62,71.01) ; 115.78,72 102.93,72 101.53,70.6 D34.2 96.8,70.78 95.58,72 77.77,72 ; v1(214,20.14) 213.92,20.22 211.05,20.22 208.72,22.55 208.72,26.92 206.21,29.42 D68.2 ; v1(291.16,72.16) 291.55,71.77 D44.2 293.01,70.6 v1(293.09,70.68) ; v1(189.18,72.24) 189.27,72.15 191.72,72.15 ; 191.72,72.15 v1(192.26,72.15) ; 77.77,72 58.77,72 ; 77.77,72 77.8,71.97 D33.2 ; v1(127.83,71.25) 128.11,71.25 128.86,72 133.58,72 134.8,70.78 ; D64.2 122.85,15.19 v1(122.85,15.2) ; 58.77,72 v1(55.85,72) ; 39.73,72.07 19.89,72.07 D30.2 18.43,71.09 ; 39.73,72.07 50.48,72.07 v1(50.57,71.98) 50.57,70.54 v1(48.21,68.18) ; D43.2 272.55,71.98 272.51,72.01 264.29,72.01 262.87,70.6 D42.2 251.18,71.4 250.57,72 247.93,72 247.91,71.98 243.77,71.98 242.39,70.6 D41.2 229.8,71.4 229.2,72 223.99,72 222.64,70.65 210.85,70.65 D40.2 210.8,71.4 210.18,72.02 198.46,72.02 198.44,72.04 v1(197.7,72.04)
/SW3: length 556.4
  Top w0.2: v1(145.47,51.29) 149.7,51.29 151.71,53.3 v1(151.71,53.47) 152.25,54.01 161.66,54.01 v1(161.8,53.86) ; v1(208.38,49.41) 208.38,51.07 v1(208.42,51.11) ; v1(134.41,53.49) 134.09,53.18 v1(126.8,53.18) ; v1(32.91,30.11) 32.91,31.02 30.4,33.54 v1(26.86,33.54) ; v1(20.28,51.6) 20.22,51.54 v1(20.22,49.21) ; v1(20.06,38.07) v1(20.06,39.86) ; v1(267.79,51.04) 270.07,48.76 v1(270.07,48.64) ; v1(249.22,53.33) 249,53.11 244.61,53.11 v1(244.59,53.09) ; v1(228.22,53.11) 221.61,53.11 221.31,52.81 v1(221.31,52.66) ; v1(72.07,22.61) 71.86,22.4 v1(71.86,20.61) ; v1(185.81,24.16) 185.81,25.58 v1(185.86,25.63) ; v1(137.36,58.36) 137.36,60.28 v1(137.84,60.76) ; v1(270.25,44.11) 270.1,43.96 v1(270.1,34.39) ; v1(208.56,41.44) 208.56,40.53 209.93,39.16 v1(212.29,39.16) ; v1(105.59,21.63) 105.59,23.31 v1(105.61,23.33) ; v1(19.61,33.45) 19.94,33.78 v1(19.94,35.51) ; v1(53.3,52.77) 53.44,52.92 60.2,52.92 v1(60.39,52.73)
  Bottom w0.2: D59.2 18.68,33.45 v1(19.61,33.45) 19.7,33.54 v1(26.86,33.54) ; v1(145.47,51.29) 145.16,51.6 D51.2 ; v1(72.07,22.61) 72.07,22.86 73.42,24.22 76.09,31.54 76.78,32.23 81.15,32.23 v1(105.61,23.33) ; D67.2 185.81,24.02 v1(185.81,24.16) ; 137.42,54.15 134.9,54.15 134.41,53.66 v1(134.41,53.49) ; 137.42,54.15 147.44,54.15 148.12,53.47 v1(151.71,53.47) ; 137.42,54.15 137.36,54.21 v1(137.36,58.36) ; D71.2 270.1,34.3 v1(270.1,34.39) ; v1(212.29,39.16) 212.62,39.49 215.03,39.49 215.57,38.94 215.57,22.37 214.98,21.78 211.04,21.78 209.52,23.3 209.52,27.25 204.99,31.78 202.74,31.78 v1(185.86,25.63) ; v1(105.59,21.63) 105.52,21.69 D63.2 ; D52.2 163.3,53.04 163.32,53.06 ; D57.2 265.43,52.49 266.04,53.11 290.22,53.11 291.55,51.78 D58.2 ; D57.2 265.43,52.41 264.73,53.11 249.45,53.11 v1(249.22,53.33) ; D57.2 267.23,51.6 v1(267.79,51.04) ; v1(32.91,30.11) 32.91,26.02 37.85,21.08 47.95,21.08 48.69,20.34 67.94,20.34 68.32,19.96 68.86,19.96 69.73,20.83 71.64,20.83 v1(71.86,20.61) ; v1(244.59,53.09) 244.57,53.11 240.81,53.11 D56.2 239.3,52.39 238.58,53.11 v1(228.22,53.11) ; v1(137.84,60.76) 141.9,64.82 141.9,65.57 142.2,65.87 142.2,66.41 141.9,66.71 LEDDR1.14 ; v1(161.8,53.86) 161.94,53.86 162.75,53.06 163.32,53.06 ; 126.79,53.17 v1(126.8,53.18) 126.8,53.1 D50.2 125.3,52.4 124.53,53.17 107.87,53.17 D49.2 106.3,52.41 105.54,53.17 88.84,53.17 88.84,53.14 D48.2 87.3,52.4 86.53,53.17 69.87,53.17 D47.2 68.3,52.4 67.53,53.17 60.83,53.17 v1(60.39,52.73) ; v1(20.06,38.07) 19.94,37.95 v1(19.94,35.51) ; v1(208.38,49.41) 208.56,49.23 v1(208.56,41.44) ; 163.32,53.06 181.34,53.06 182.3,52.1 D53.2 183.76,53.06 200.27,53.06 201.3,52.03 D54.2 202.76,53.06 207.84,53.06 208.42,52.48 v1(208.42,51.11) 208.42,52.4 209.08,53.06 219.02,53.06 220.3,51.78 D55.2 221.31,52.61 v1(221.31,52.66) ; v1(270.07,48.64) 270.25,48.46 v1(270.25,44.11) ; v1(53.3,52.77) 43.35,52.77 D46.2 42.17,52.53 41.71,53 32.68,53 31.28,51.6 v1(20.28,51.6) D45.2 ; v1(20.22,49.21) 20.06,49.05 v1(20.06,39.86)
/SWDCLK: length 131.7
  Top w0.2: v1(158.02,111.49) 159.45,110.06 159.45,109.4 159.81,109.05 v1(160.25,109.05) ; v1(33.68,111.69) 33.02,112.35 JTAG1.4
  Bottom w0.2: MDBT1.53 161.1,108.2 v1(160.25,109.05) ; v1(158.02,111.49) 157.47,112.04 35.51,112.04 35.07,111.6 33.77,111.6 v1(33.68,111.69)
/SWDIO: length 131.4
  Top w0.2: v1(34.8,112.25) 34.8,112.92 JTAG1.2
  Bottom w0.2: MDBT1.51 160.48,107.3 159.45,108.33 159.45,110.91 157.92,112.44 34.99,112.44 v1(34.8,112.25)
/USB_D+: length 166.4
  Top w0.25: v2(20.02,110.8) 20.8,111.58 Jusb1.A6 ; v2(19.87,114.11) 19.8,114.04 Jusb1.B6
  Bottom w0.25: v2(20.02,110.8) 20.03,110.81 20.03,113.95 v2(19.87,114.11)
  Bottom w0.73: R1.2 152.24,95.77 148.99,99.02 145.62,99.02 140.34,93.74 35.35,93.74 34.21,92.6 32.29,92.6 31.15,93.74 22.88,93.74 16.89,99.73 16.89,107.72 19.97,110.8 v2(20.02,110.8)
/USB_D-: length 167.1
  Top w0.25: v2(19.34,111.47) 19.93,111.47 20.3,111.85 Jusb1.A7 20.3,113.5 20.42,113.62 21.01,113.62 21.3,113.33 Jusb1.B7
  Bottom w0.73: v2(19.34,111.47) 19.34,111.42 16.01,108.09 16.01,99.36 22.57,92.8 30.84,92.8 31.92,91.72 34.58,91.72 35.66,92.8 140.66,92.8 145.89,98.03 148.73,98.03 152.1,94.67 R2.2
/VOUT2: length 21
  Bottom w0.25: PMIC1.28 39.12,87.75 38.34,88.53 37.06,88.53 36.16,89.44 36.16,90.32 37.26,91.42 40.88,91.42 41.99,90.31 C26.1 41.12,88.97 PMIC1.32 42.38,88.56 L2.1
/VSYS: length 155.7
  Top w0.2: v1(145.14,73.79) 145.06,73.79 143.02,75.84 141.9,75.84 141.6,76.14 v1(135.81,76.14) 135.81,70.09 136.92,68.98 v1(137.77,68.98)
  Top w0.25: v1(60.25,75.26) 59.07,74.07 56.62,74.07 v1(54,76.7) ; v1(46.3,76.75) 46.3,82.11 v1(46.39,82.2) 46.28,82.2 43.29,85.19 v1(43.29,85.25)
  Bottom w0.2: C35.1 145.28,73.93 v1(145.14,73.79) 145.14,73.3 LEDDR1.1 ; LEDDR1.15 141.5,67.56 C36.1 138.93,68.98 v1(137.77,68.98)
  Bottom w0.25: v1(46.39,82.2) 46.24,82.35 C11.1 45.42,82.34 C10.1 ; v1(54,76.7) 53.95,76.75 v1(46.3,76.75) 41.75,76.75 41.17,77.32 36.91,77.32 34.16,80.06 34.16,82.18 C12.1 ; v1(43.29,85.25) 43.14,85.1 PMIC1.4 ; 34.92,83.07 34.92,83.27 36.25,84.6 PMIC1.20 ; v1(60.25,75.26) 94.3,75.26 97.83,78.78 101.92,78.78 105.72,74.99 116.48,74.99 117.63,76.14 v1(135.81,76.14)
Net-(BAT1-NTC): length 62
  Top w0.2: 29.75,31.74 v1(29.74,31.75) 27.91,29.91 BAT1.2 ; v1(29.51,49.37) 29.51,61.66 v1(29.54,61.69) ; v1(29.54,68.15) 29.55,68.16 29.55,73.83 v1(35.45,79.73) ; v1(29.84,38.39) 29.85,38.4 v1(29.85,40.05)
  Bottom w0.2: v1(35.45,79.73) 35.45,80.54 36.13,81.21 36.13,83.21 36.51,83.6 PMIC1.18 ; v1(29.85,40.05) 29.85,49.03 v1(29.51,49.37) ; v1(29.74,31.75) 29.74,38.29 v1(29.84,38.39) ; v1(29.54,68.15) v1(29.54,61.69)
Net-(Jusb1-CC1): length 35.7
  Top w0.2: v1(35.33,88.76) 35.33,89.47 30.75,94.05 v1(30.75,102.15) ; Jusb1.A5 21.8,111.84 23.15,110.5 27.56,110.5 v1(28.82,109.23)
  Bottom w0.2: v1(35.33,88.76) 35.5,88.6 35.5,87.77 36.22,87.05 36.22,86.38 36.51,86.1 PMIC1.23 ; v1(28.82,109.23) 28.86,109.23 30.75,107.35 v1(30.75,102.15)
Net-(Jusb1-CC2): length 46.7
  Top w0.2: v1(34.3,89.3) 32.19,91.4 26.94,91.4 25.62,90.08 v1(23.86,90.08) ; Jusb1.B5 18.8,111.93 18.6,111.73 18.6,110.81 15.37,107.58 15.37,94.22 v1(17.05,92.55)
  Bottom w0.2: v1(34.3,89.3) 34.44,89.44 35.55,89.44 36.92,88.07 PMIC1.24 ; v1(17.05,92.55) 21.39,92.55 v1(23.86,90.08)
Net-(LEDDR1-VCAP): length 2.3
  Bottom w0.2: C34.2 140.73,74.78 140.73,74.04 141.1,73.67 LEDDR1.25
Net-(MDBT1-D+): length 4.8
  Bottom w0.2: MDBT1.35 160.79,100.1 159.81,99.11 159.81,98.59 158.16,96.94 R1.1
  Bottom w0.25: 161.13,100.06 160.97,100.06
Net-(MDBT1-D-): length 4.4
  Bottom w0.2: MDBT1.34 161,99.3 160.21,98.51 160.21,98.31 159.04,97.14 R2.1
Net-(MDBT1-P0.00/XL1): length 5.7
  Top w0.2: v1(169.35,99.18) 169.35,99.7 168.3,100.75 Y1.1 167.85,100.75 168.59,101.49 C2.1
  Bottom w0.2: MDBT1.17 168.95,98.78 v1(169.35,99.18)
Net-(MDBT1-P0.01/XL2): length 7.1
  Top w0.2: C4.1 166.05,102.11 166.09,102.15 Y1.2 166.9,101.29 166.9,100.4 168.09,99.21 v1(168.5,99.21)
  Bottom w0.2: v1(168.5,99.21) 168.45,99.16 168.45,98.6 MDBT1.18
Net-(PMIC1-SHPHLD): length 79.4
  Top w0.2: v1(37.59,81.44) 37.59,78.21 v1(37.7,78.1) ; v1(55.48,77.55) 55.48,78.68 58.85,82.05 58.85,86.76 52.6,93.01 v1(52.6,107.79) ; SW2.2 36.85,117.3 38.31,115.84 41.5,115.84 42.65,116.99 SW2.2 43.65,116.34 44.19,116.34 48.85,111.68 v1(48.85,110.95)
  Bottom w0.2: v1(48.85,110.95) 48.85,109.54 50.6,107.79 v1(52.6,107.79) ; v1(37.7,78.1) 37.89,77.91 41.19,77.91 41.7,77.4 55.25,77.4 55.41,77.55 v1(55.48,77.55) ; v1(37.59,81.44) 38.12,81.98 PMIC1.15
Net-(PMIC1-SW1): length 2.8
  Bottom w0.2: L1.2 42.9,86.12 42.38,85.6 PMIC1.3
Net-(PMIC1-SW2): length 5.8
  Bottom w0.2: L2.2 46.46,86.56 44.5,84.6 PMIC1.5
Net-(PMIC1-VBUS): length 54
  Top w0.3: Jusb1.A4 22.95,113.55 22.9,113.6 21.7,113.6 20.38,114.91 19.54,114.91 18.22,113.6 18.2,113.6 18.15,113.55 Jusb1.A9 18.15,111.1 16.54,109.49 C18.1 15.2,109.26 v1(15.2,108.55) ; v1(35.71,85.23) 32.79,88.15 v1(22.25,88.15)
  Bottom w0.3: v1(22.25,88.15) 20.4,88.15 15.29,93.25 15.29,108.45 v1(15.2,108.55) ; v1(35.71,85.23) 35.84,85.1 PMIC1.21
Net-(PMIC1-VSET1): length 2.8
  Bottom w0.2: R5.2 36.64,80.89 36.53,81 36.53,82.7 PMIC1.17
Net-(PMIC1-VSET2): length 3
  Bottom w0.2: PMIC1.16 36.93,81.7 36.93,81.17 37.59,80.51 R6.2

## Copper pours and planes (outline as drawn; the poured copper is in the pictures)
GND on Top: -10.9,121.25 304.8,120.5 304.27,-22.69 -10.15,-23.05

Small or netless copper shapes (teardrops, artwork), in the pictures only: 556 on Top, 1919 on Bottom

## Text on the board
Top: NOTE: Cavity in the housing should account for pcb depth (1.2mm) and heights of: / - USB connector GCT USB4215 (shorter) or USB4105 (3.2mm + .7mm gap above) / - JLink connector Semtec CLP-105-2 (2.35+.35mm) / - Tact switches (1.8+.6mm) / - Use 0.8mm pcb plate to cover the hole / - Bottom thickness is 5mm, use blind holes for keycap shaft
